# Allegro board 1156197-TDI_VU3P_QSFP28_CXP_V001_1023A-166-20241121_1644_PCB.brd (continued)
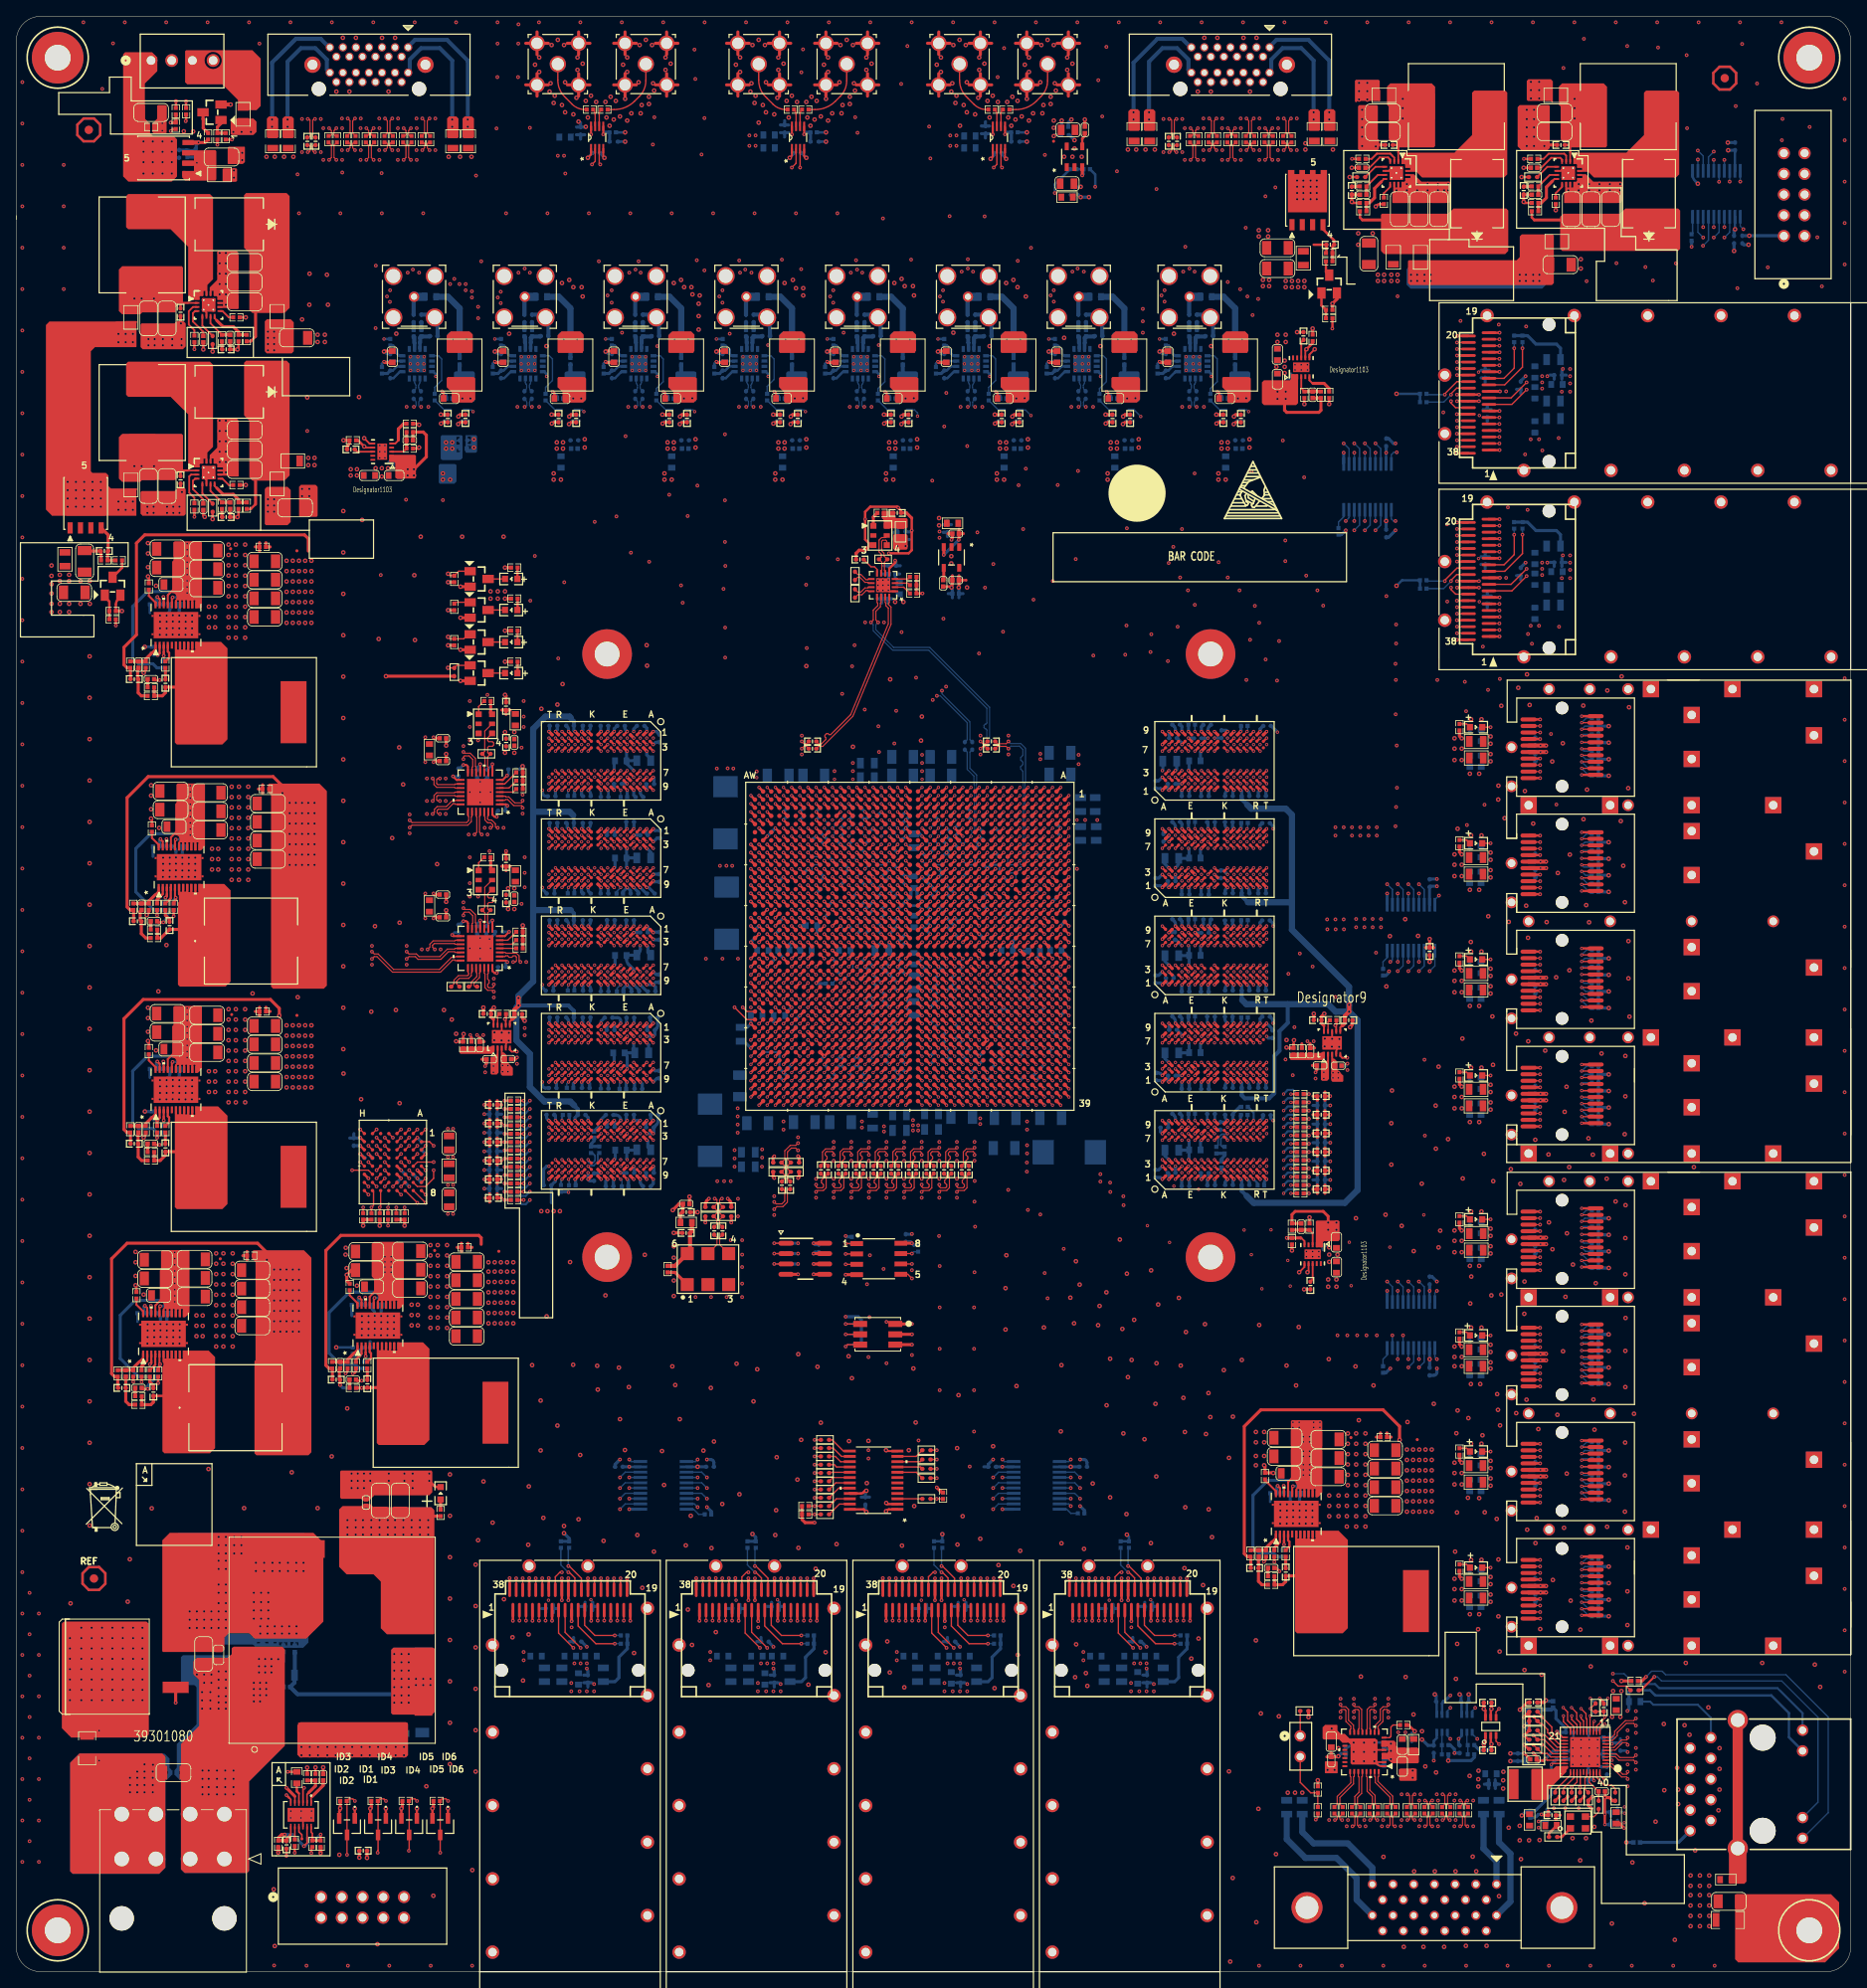
[diagram p0: board, top side]
## Routing (per net, layer and track width the routed paths; a pad name or vN(x,y) marks a point on that pad's centre or on a via; arc(x,y) is an arc through that point) (continued)
  ART03 w0.122: v3(151.76,102.06) 151.35,102.47 151.35,105.13 151.16,105.33 151.16,105.58 151.28,105.7 151.49,105.7 151.61,105.82 151.61,106.04 151.46,106.19 151.28,106.19 151.16,106.31 151.16,106.55 151.28,106.67 151.49,106.67 151.61,106.8 151.61,107.01 151.46,107.16 151.28,107.16 151.16,107.28 151.16,107.53 151.28,107.65 151.49,107.65 151.61,107.77 151.61,107.99 151.46,108.14 151.28,108.14 151.16,108.26 151.16,108.55 151.35,108.75 151.35,113.59 v3(151.76,114) 151.35,114.41 151.35,117.07 151.16,117.27 151.16,117.51 151.28,117.64 151.49,117.64 151.61,117.76 151.61,117.98 151.46,118.12 151.28,118.12 151.16,118.25 151.16,118.49 151.28,118.61 151.49,118.61 151.61,118.73 151.61,118.95 151.46,119.1 151.28,119.1 151.16,119.22 151.16,119.47 151.28,119.59 151.49,119.59 151.61,119.71 151.61,119.93 151.46,120.08 151.28,120.08 151.16,120.2 151.16,120.49 151.35,120.68 151.35,125.53 v3(151.76,125.94) 151.35,126.35 151.35,129.01 151.16,129.21 151.16,129.45 151.28,129.57 151.49,129.57 151.61,129.7 151.61,129.92 151.46,130.06 151.28,130.06 151.16,130.18 151.16,130.43 151.28,130.55 151.49,130.55 151.61,130.67 151.61,130.89 151.46,131.04 151.28,131.04 151.16,131.16 151.16,131.4 151.28,131.53 151.49,131.53 151.61,131.65 151.61,131.87 151.46,132.01 151.28,132.01 151.16,132.14 151.16,132.42 151.35,132.62 151.35,137.47 v3(151.76,137.88) 151.35,138.29 151.35,140.9 151.23,141.03 151.07,141.03 150.95,141.15 150.95,141.39 151.07,141.51 151.61,141.51 151.73,141.63 151.73,141.88 151.61,142 151.07,142 150.95,142.12 150.95,142.37 151.07,142.49 151.61,142.49 151.73,142.61 151.73,142.85 151.61,142.98 151.07,142.98 150.95,143.1 150.95,143.34 151.07,143.46 151.61,143.46 151.73,143.59 151.73,143.83 151.61,143.95 151.07,143.95 150.95,144.07 150.95,144.32 151.07,144.44 151.23,144.44 151.35,144.56 151.35,149.41 v3(151.76,149.82)
  ART07 w0.165: v3(151.76,149.82) U16.P7 151.36,152.55
  ART07 w0.191: v1(118.1,136.36) 117.77,136.36 117.22,136.91 116.84,136.91 116.59,137.16 116.59,137.57 116.31,137.85 115.93,137.85 115.57,138.2 115.57,145.82 115.14,146.25 115.14,156.92 118.36,160.15 137.81,160.15 138,159.96 138,157.29 138.19,157.1 138.57,157.1 138.76,157.29 138.76,158.81 138.95,159 139.33,159 139.52,158.81 139.52,157.29 139.91,156.9 149.38,156.9 151.36,154.91 151.36,152.55 ; v3(155.45,102.64) 155.09,102.64 154.05,101.6 152.27,101.6 151.81,102.06 v3(151.76,102.06)
  BOTTOM w0.267: R139.1 156.6,103.15 155.96,103.15 v3(155.45,102.64)
CHA_FPGA_DDR4_C2_A2: length 136.2
  TOP w0.267: U14.R3 v3(152.56,135.48) ; v3(156.34,99.59) R140.1 ; U15.R3 v3(152.56,111.6) ; U16.R3 v3(152.56,147.42) ; U17.R3 v3(152.56,99.66) ; U1.J9 v1(121.1,137.36) ; U13.R3 v3(152.56,123.54)
  ART12 w0.122: v3(152.56,99.66) 152.96,100.06 152.96,100.61 153.09,100.73 153.24,100.73 153.37,100.85 153.37,101.1 153.24,101.22 153.09,101.22 152.96,101.34 152.96,101.58 153.09,101.71 153.24,101.71 153.37,101.83 153.37,102.07 153.24,102.19 153.09,102.19 152.96,102.32 152.96,105.96 153.16,106.16 153.16,106.49 152.96,106.69 152.96,106.93 153.09,107.05 153.17,107.05 153.31,107.2 153.31,107.42 153.19,107.54 153.09,107.54 152.96,107.66 152.96,107.91 153.09,108.03 153.17,108.03 153.31,108.18 153.31,108.4 153.19,108.52 153.09,108.52 152.96,108.64 152.96,111.2 v3(152.56,111.6) 152.96,112 152.96,112.55 153.09,112.67 153.24,112.67 153.37,112.79 153.37,113.03 153.24,113.16 153.09,113.16 152.96,113.28 152.96,113.52 153.09,113.64 153.24,113.64 153.37,113.77 153.37,114.01 153.24,114.13 153.09,114.13 152.96,114.25 152.96,117.9 153.16,118.09 153.16,118.43 152.96,118.63 152.96,118.87 153.09,118.99 153.17,118.99 153.31,119.14 153.31,119.36 153.19,119.48 153.09,119.48 152.96,119.6 152.96,119.85 153.09,119.97 153.17,119.97 153.31,120.12 153.31,120.33 153.19,120.46 153.09,120.46 152.96,120.58 152.96,123.14 v3(152.56,123.54) 152.96,123.94 152.96,124.49 153.09,124.61 153.24,124.61 153.37,124.73 153.37,124.97 153.24,125.09 153.09,125.09 152.96,125.22 152.96,125.46 153.09,125.58 153.24,125.58 153.37,125.7 153.37,125.95 153.24,126.07 153.09,126.07 152.96,126.19 152.96,129.83 153.16,130.03 153.16,130.37 152.96,130.56 152.96,130.81 153.09,130.93 153.17,130.93 153.31,131.08 153.31,131.3 153.19,131.42 153.09,131.42 152.96,131.54 152.96,131.78 153.09,131.91 153.17,131.91 153.31,132.05 153.31,132.27 153.19,132.39 153.09,132.39 152.96,132.52 152.96,135.08 v3(152.56,135.48) 152.96,135.88 152.96,136.42 153.09,136.55 153.24,136.55 153.37,136.67 153.37,136.91 153.24,137.03 153.09,137.03 152.96,137.15 152.96,137.4 153.09,137.52 153.24,137.52 153.37,137.64 153.37,137.89 153.24,138.01 153.09,138.01 152.96,138.13 152.96,140.8 153.09,140.92 153.45,140.92 153.57,141.04 153.57,141.28 153.45,141.41 153.09,141.41 152.96,141.53 152.96,141.77 153.09,141.89 153.45,141.89 153.57,142.02 153.57,142.26 153.45,142.38 153.09,142.38 152.96,142.5 152.96,142.75 153.09,142.87 153.45,142.87 153.57,142.99 153.57,143.23 153.45,143.36 153.09,143.36 152.96,143.48 152.96,143.72 153.09,143.84 153.45,143.84 153.57,143.97 153.57,144.21 153.45,144.33 153.09,144.33 152.96,144.45 152.96,147.02 v3(152.56,147.42)
  ART12 w0.191: v3(152.56,147.42) 152.53,147.45 152.53,148.59 152.15,148.97 148.69,148.97 148.08,149.58 148.08,152.73 147.46,153.35 128.64,153.35 128.45,153.16 128.45,152.08 128.25,151.89 127.87,151.89 127.68,152.08 127.68,153.16 127.49,153.35 127.11,153.35 126.92,153.16 126.92,150.81 126.73,150.62 126.35,150.62 126.16,150.81 126.16,153.16 125.97,153.35 119.62,153.35 118.97,152.7 118.97,152.07 119.16,151.88 119.82,151.88 120.02,151.69 120.02,151.31 119.82,151.12 119.16,151.12 118.97,150.93 118.97,149.76 119.99,148.74 119.99,148.33 119.8,148.14 118.3,148.14 118.11,147.95 118.11,147.57 118.3,147.38 119.8,147.38 119.99,147.19 119.99,146.13 119.63,145.77 119.63,139.14 119.96,138.81 120.32,138.81 120.65,138.48 120.65,138.1 121.1,137.65 v1(121.1,137.36)
  ART14 w0.165: 153.8,99.26 152.96,99.26 v3(152.56,99.66)
  ART14 w0.191: v3(156.34,99.59) 155.93,99.19 153.87,99.19 153.8,99.26
CHA_FPGA_DDR4_C2_A3: length 140.9
  TOP w0.267: U17.N7 v3(150.96,102.06) ; R141.1 v3(156.34,104.67) ; U16.N7 v3(150.96,149.82) ; U13.N7 v3(150.96,125.94) ; U14.N7 v3(150.96,137.88) ; U1.N9 v1(117.1,137.36) ; U15.N7 v3(150.96,114)
  ART03 w0.122: v3(150.96,149.82) 150.55,149.41 150.55,148.97 150.68,148.85 150.86,148.85 150.98,148.73 150.98,148.49 150.86,148.36 150.68,148.36 150.55,148.24 150.55,144.63 150.43,144.5 150.03,144.5 149.91,144.38 149.91,144.14 150.03,144.02 150.43,144.02 150.55,143.89 150.55,143.65 150.43,143.53 150.03,143.53 149.91,143.41 149.91,143.16 150.03,143.04 150.43,143.04 150.55,142.92 150.55,142.67 150.43,142.55 150.03,142.55 149.91,142.43 149.91,142.19 150.03,142.06 150.43,142.06 150.55,141.94 150.55,141.7 150.43,141.58 150.03,141.58 149.91,141.46 149.91,141.21 150.03,141.09 150.43,141.09 150.55,140.97 150.55,138.29 v3(150.96,137.88) 150.55,137.47 150.55,132.69 150.43,132.57 150.29,132.57 150.14,132.42 150.14,132.2 150.26,132.08 150.43,132.08 150.55,131.96 150.55,131.71 150.43,131.59 150.29,131.59 150.14,131.44 150.14,131.22 150.26,131.1 150.43,131.1 150.55,130.98 150.55,130.74 150.43,130.61 150.29,130.61 150.14,130.47 150.14,130.25 150.26,130.13 150.43,130.13 150.55,130 150.55,129.76 150.43,129.64 150.29,129.64 150.14,129.49 150.14,129.27 150.26,129.15 150.43,129.15 150.55,129.03 150.55,126.35 v3(150.96,125.94) 150.55,125.53 150.55,120.75 150.43,120.63 150.29,120.63 150.14,120.48 150.14,120.26 150.26,120.14 150.43,120.14 150.55,120.02 150.55,119.77 150.43,119.65 150.29,119.65 150.14,119.5 150.14,119.29 150.26,119.16 150.43,119.16 150.55,119.04 150.55,118.8 150.43,118.68 150.29,118.68 150.14,118.53 150.14,118.31 150.26,118.19 150.43,118.19 150.55,118.07 150.55,117.82 150.43,117.7 150.29,117.7 150.14,117.55 150.14,117.34 150.26,117.21 150.43,117.21 150.55,117.09 150.55,114.41 v3(150.96,114) 150.55,113.59 150.55,108.81 150.43,108.69 150.29,108.69 150.14,108.54 150.14,108.32 150.26,108.2 150.43,108.2 150.55,108.08 150.55,107.84 150.43,107.71 150.29,107.71 150.14,107.57 150.14,107.35 150.26,107.23 150.43,107.23 150.55,107.1 150.55,106.86 150.43,106.74 150.29,106.74 150.14,106.59 150.14,106.37 150.26,106.25 150.43,106.25 150.55,106.13 150.55,105.88 150.43,105.76 150.34,105.76 150.22,105.64 150.22,105.4 150.34,105.28 150.43,105.28 150.55,105.15 150.55,102.47 v3(150.96,102.06)
  ART07 w0.165: 153.47,102.46 151.36,102.46 v3(150.96,102.06) ; v3(150.96,149.82) U16.N7 150.56,152.55
  ART07 w0.191: v1(117.1,137.36) 117.1,137.64 116.59,138.15 116.59,145.8 115.93,146.46 115.93,156.69 118.49,159.26 133.86,159.26 134.25,158.88 134.63,158.88 135.01,159.26 135.37,159.26 135.56,159.07 135.56,156.27 135.75,156.08 136.13,156.08 136.32,156.27 136.32,159.07 136.51,159.26 136.89,159.26 137.08,159.07 137.08,156.4 137.28,156.21 149.12,156.21 150.56,154.77 150.56,152.55 ; 153.47,102.46 153.64,102.46 155.32,104.14 155.83,104.14 155.96,104.27 155.96,104.29 v3(156.34,104.67)
CHA_FPGA_DDR4_C2_A4: length 138.5
  TOP w0.267: U1.K10 v1(120.1,136.36) ; U14.N3 v3(150.96,135.48) ; U16.N3 v3(150.96,147.42) ; U15.N3 v3(150.96,111.6) ; U17.N3 v3(150.96,99.66) ; U13.N3 v3(150.96,123.54)
  ART07 w0.165: v3(150.96,147.42) 150.96,149.14 150.8,149.3 148.29,149.3 147.38,150.21 146.01,150.21 145.76,150.46 145.76,151.34 145.29,151.81 143.6,151.81 143.51,151.71 143.36,151.71
  ART07 w0.191: v3(155.45,99.59) 154.86,100.18 151.49,100.18 150.97,99.66 v3(150.96,99.66) ; 143.36,151.71 140.36,151.71 139.75,152.32 124.77,152.32 124.58,152.13 124.58,147.41 124.39,147.22 124.01,147.22 123.82,147.41 123.82,152.13 123.63,152.32 123.25,152.32 123.06,152.13 123.06,147.41 122.87,147.22 122.49,147.22 122.3,147.41 122.3,152.13 122.11,152.32 120.93,152.32 120.6,152 120.6,136.55 120.41,136.36 v1(120.1,136.36)
  ART12 w0.122: v3(150.96,147.42) 151.36,147.02 151.36,144.67 151.24,144.55 151.07,144.55 150.95,144.42 150.95,144.18 151.07,144.06 151.42,144.06 151.54,143.94 151.54,143.69 151.42,143.57 151.07,143.57 150.95,143.45 150.95,143.21 151.07,143.08 151.42,143.08 151.54,142.96 151.54,142.72 151.42,142.6 151.07,142.6 150.95,142.47 150.95,142.23 151.07,142.11 151.42,142.11 151.54,141.99 151.54,141.74 151.42,141.62 151.07,141.62 150.95,141.5 150.95,141.25 151.07,141.13 151.24,141.13 151.36,141.01 151.36,135.88 v3(150.96,135.48) 151.36,135.08 151.36,132.73 151.24,132.61 151.07,132.61 150.95,132.49 150.95,132.24 151.07,132.12 151.42,132.12 151.54,132 151.54,131.75 151.42,131.63 151.07,131.63 150.95,131.51 150.95,131.27 151.07,131.15 151.42,131.15 151.54,131.02 151.54,130.78 151.42,130.66 151.38,130.66 151.23,130.51 151.23,130.29 151.35,130.17 151.42,130.17 151.54,130.05 151.54,129.8 151.36,129.63 151.36,123.94 v3(150.96,123.54) 151.36,123.14 151.36,120.79 151.24,120.67 151.07,120.67 150.95,120.55 150.95,120.3 151.07,120.18 151.42,120.18 151.54,120.06 151.54,119.82 151.42,119.69 151.07,119.69 150.95,119.57 150.95,119.33 151.07,119.21 151.42,119.21 151.54,119.09 151.54,118.84 151.42,118.72 151.38,118.72 151.23,118.57 151.23,118.35 151.35,118.23 151.42,118.23 151.54,118.11 151.54,117.87 151.36,117.69 151.36,112 v3(150.96,111.6) 151.36,111.2 151.36,108.85 151.24,108.73 151.07,108.73 150.95,108.61 150.95,108.37 151.07,108.24 151.42,108.24 151.54,108.12 151.54,107.88 151.42,107.76 151.07,107.76 150.95,107.64 150.95,107.39 151.07,107.27 151.42,107.27 151.54,107.15 151.54,106.9 151.42,106.78 151.38,106.78 151.23,106.63 151.23,106.42 151.35,106.29 151.42,106.29 151.54,106.17 151.54,105.93 151.36,105.75 151.36,100.06 v3(150.96,99.66)
  BOTTOM w0.267: R142.1 156.6,100.1 155.96,100.1 v3(155.45,99.59)
CHA_FPGA_DDR4_C2_A5: length 139.4
  TOP w0.267: U14.P8 v3(151.76,139.48) ; U15.P8 v3(151.76,115.6) ; U17.P8 v3(151.76,103.66) ; U13.P8 v3(151.76,127.54) ; U16.P8 v3(151.76,151.42) ; U1.L12 v1(119.1,134.36)
  ART07 w0.165: v3(151.76,103.66) 152.16,104.06 152.16,104.67
  ART07 w0.191: v3(155.45,105.69) 152.81,105.69 152.16,105.05 152.16,104.67
  ART12 w0.165: 151.36,152.53 151.36,151.82 v3(151.76,151.42)
  ART12 w0.191: 151.36,152.53 151.36,152.96 148.36,155.96 143.51,155.96 141.38,158.09 127.33,158.09 126.85,157.61 126.85,155.94 126.66,155.75 126.28,155.75 126.09,155.94 126.09,157.54 125.9,157.73 125.52,157.73 125.33,157.54 125.33,155.94 125.14,155.75 124.76,155.75 124.57,155.94 124.57,157.62 124.38,157.81 123.99,157.81 123.8,157.62 123.8,155.94 123.61,155.75 118.26,155.75 115.57,153.06 115.57,141.2 115.94,140.83 116.34,140.83 116.59,140.59 116.59,137.19 116.91,136.86 117.27,136.86 117.6,136.53 117.6,136.15 117.91,135.84 118.26,135.84 118.6,135.5 118.6,134.86 v1(119.1,134.36)
  ART16 w0.122: v3(151.76,103.66) 152.16,104.06 152.16,105.12 152.29,105.24 152.38,105.24 152.5,105.36 152.5,105.61 152.26,105.85 152.26,106.1 152.5,106.34 152.5,106.59 152.26,106.83 152.26,107.07 152.5,107.31 152.5,107.56 152.26,107.8 152.26,108.05 152.5,108.29 152.5,108.53 152.38,108.65 152.29,108.65 152.16,108.78 152.16,111.97 152.04,112.09 151.91,112.09 151.79,112.21 151.79,112.45 151.91,112.58 152.04,112.58 152.16,112.7 152.16,112.94 152.04,113.06 151.91,113.06 151.79,113.18 151.79,113.43 151.91,113.55 152.04,113.55 152.16,113.67 152.16,115.2 v3(151.76,115.6) 152.16,116 152.16,117.06 152.29,117.18 152.38,117.18 152.5,117.3 152.5,117.55 152.26,117.79 152.26,118.04 152.5,118.28 152.5,118.53 152.26,118.77 152.26,119.01 152.5,119.25 152.5,119.5 152.26,119.74 152.26,119.99 152.5,120.23 152.5,120.47 152.38,120.59 152.29,120.59 152.16,120.71 152.16,123.9 152.04,124.03 151.91,124.03 151.79,124.15 151.79,124.39 151.91,124.51 152.04,124.51 152.16,124.64 152.16,124.88 152.04,125 151.91,125 151.79,125.12 151.79,125.37 151.91,125.49 152.04,125.49 152.16,125.61 152.16,127.14 v3(151.76,127.54) 152.16,127.94 152.16,128.99 152.29,129.12 152.38,129.12 152.5,129.24 152.5,129.49 152.26,129.73 152.26,129.97 152.5,130.21 152.5,130.46 152.26,130.7 152.26,130.95 152.5,131.19 152.5,131.44 152.26,131.68 152.26,131.92 152.5,132.16 152.5,132.41 152.38,132.53 152.29,132.53 152.16,132.65 152.16,135.84 152.04,135.96 151.91,135.96 151.79,136.09 151.79,136.33 151.91,136.45 152.04,136.45 152.16,136.57 152.16,136.82 152.04,136.94 151.91,136.94 151.79,137.06 151.79,137.3 151.91,137.43 152.04,137.43 152.16,137.55 152.16,139.08 v3(151.76,139.48) 152.16,139.88 152.16,140.93 152.29,141.05 152.38,141.05 152.5,141.18 152.5,141.42 152.38,141.54 152.16,141.54 152.04,141.66 152.04,141.91 152.16,142.03 152.38,142.03 152.5,142.15 152.5,142.39 152.38,142.52 152.16,142.52 152.04,142.64 152.04,142.88 152.16,143 152.38,143 152.5,143.13 152.5,143.37 152.38,143.49 152.16,143.49 152.04,143.61 152.04,143.86 152.16,143.98 152.38,143.98 152.5,144.1 152.5,144.35 152.38,144.47 152.29,144.47 152.16,144.59 152.16,147.78 152.04,147.9 151.91,147.9 151.79,148.02 151.79,148.27 151.91,148.39 152.04,148.39 152.16,148.51 152.16,148.76 152.04,148.88 151.91,148.88 151.79,149 151.79,149.24 151.91,149.36 152.04,149.36 152.16,149.49 152.16,151.02 v3(151.76,151.42)
  BOTTOM w0.267: v3(155.45,105.69) 155.96,106.2 156.6,106.2 R143.1
CHA_FPGA_DDR4_C2_A6: length 134.8
  TOP w0.267: U17.P2 v3(151.76,98.06) ; U14.P2 v3(151.76,133.88) ; U16.P2 v3(151.76,145.82) ; U13.P2 v3(151.76,121.94) ; U15.P2 v3(151.76,110) ; U1.C9 v1(127.1,137.36)
  ART05 w0.122: v3(151.76,145.82) 152.16,145.41 152.16,144.76 152.25,144.68 152.25,144.53 152.37,144.41 152.71,144.41 152.83,144.29 152.83,144.05 152.71,143.92 152.37,143.92 152.25,143.8 152.25,143.56 152.37,143.44 152.71,143.44 152.83,143.31 152.83,143.07 152.71,142.95 152.37,142.95 152.25,142.83 152.25,142.58 152.37,142.46 152.71,142.46 152.83,142.34 152.83,142.1 152.71,141.97 152.37,141.97 152.25,141.85 152.25,141.61 152.37,141.49 152.71,141.49 152.83,141.36 152.83,141.12 152.71,141 152.37,141 152.25,140.88 152.25,140.6 152.16,140.51 152.16,137.5 152.29,137.38 152.38,137.38 152.5,137.26 152.5,137.01 152.38,136.89 152.29,136.89 152.16,136.77 152.16,136.53 152.29,136.4 152.38,136.4 152.5,136.28 152.5,136.04 152.38,135.92 152.29,135.92 152.16,135.79 152.16,134.28 v3(151.76,133.88) 152.16,133.48 152.16,132.82 152.25,132.74 152.25,132.6 152.37,132.47 152.51,132.47 152.63,132.35 152.63,132.11 152.51,131.99 152.37,131.99 152.25,131.86 152.25,131.62 152.37,131.5 152.51,131.5 152.63,131.38 152.63,131.13 152.51,131.01 152.37,131.01 152.25,130.89 152.25,130.65 152.37,130.52 152.51,130.52 152.63,130.4 152.63,130.16 152.51,130.04 152.37,130.04 152.25,129.91 152.25,129.67 152.37,129.55 152.51,129.55 152.63,129.43 152.63,129.18 152.51,129.06 152.37,129.06 152.25,128.94 152.25,128.66 152.16,128.57 152.16,122.34 v3(151.76,121.94) 152.16,121.54 152.16,120.89 152.25,120.8 152.25,120.66 152.37,120.54 152.51,120.54 152.63,120.41 152.63,120.17 152.51,120.05 152.37,120.05 152.25,119.93 152.25,119.68 152.37,119.56 152.51,119.56 152.63,119.44 152.63,119.2 152.51,119.07 152.37,119.07 152.25,118.95 152.25,118.71 152.37,118.59 152.51,118.59 152.63,118.46 152.63,118.22 152.51,118.1 152.37,118.1 152.25,117.98 152.25,117.73 152.37,117.61 152.51,117.61 152.63,117.49 152.63,117.24 152.51,117.12 152.37,117.12 152.25,117 152.25,116.72 152.16,116.64 152.16,110.4 v3(151.76,110) 152.16,109.6 152.16,108.95 152.25,108.86 152.25,108.72 152.37,108.6 152.51,108.6 152.63,108.48 152.63,108.23 152.51,108.11 152.37,108.11 152.25,107.99 152.25,107.74 152.37,107.62 152.51,107.62 152.63,107.5 152.63,107.26 152.51,107.14 152.37,107.14 152.25,107.01 152.25,106.77 152.37,106.65 152.51,106.65 152.63,106.53 152.63,106.28 152.51,106.16 152.37,106.16 152.25,106.04 152.25,105.79 152.37,105.67 152.51,105.67 152.63,105.55 152.63,105.31 152.51,105.18 152.37,105.18 152.25,105.06 152.25,104.78 152.16,104.7 152.16,98.46 v3(151.76,98.06)
  ART07 w0.165: v3(151.76,145.82) 151.36,146.22 151.36,147.7 151.38,147.73
  ART07 w0.191: 151.38,147.73 151.38,147.76 151.57,147.96 155.83,147.96 156.08,147.7 156.08,146.92 155.89,146.73 154.24,146.73 154.05,146.54 154.05,146.16 154.24,145.97 155.89,145.97 156.08,145.78 156.08,141.67 155.89,141.48 155.25,141.48 155.06,141.67 155.06,144.46 154.87,144.65 154.49,144.65 154.29,144.46 154.29,141.67 154.1,141.48 153.72,141.48 153.53,141.67 153.53,144.34 153.34,144.53 152.96,144.53 152.77,144.34 152.77,141.67 152.58,141.48 152.2,141.48 152.01,141.67 152.01,143.7 151.82,143.89 151.44,143.89 151.25,143.7 151.25,141.67 151.06,141.48 144.91,141.48 144.15,142.24 144.15,143.38 143.76,143.76 140.46,143.76 139.83,143.13 135.13,143.13 130.68,138.68 130.18,138.68 129.31,137.82 127.56,137.82 v1(127.1,137.36)
  ART14 w0.165: 153.7,97.66 152.16,97.66 v3(151.76,98.06)
  ART14 w0.191: 153.7,97.66 154.25,97.66 154.36,97.56 v3(155.45,97.56)
  BOTTOM w0.267: R144.1 156.6,98.07 155.96,98.07 v3(155.45,97.56)
CHA_FPGA_DDR4_C2_A7: length 138.4
  TOP w0.267: U17.R8 v3(152.56,103.66) ; U13.R8 v3(152.56,127.54) ; U16.R8 v3(152.56,151.42) ; U14.R8 v3(152.56,139.48) ; U1.M11 v1(118.1,135.36) ; v3(156.34,105.69) R145.1 ; U15.R8 v3(152.56,115.6)
  ART07 w0.165: 152.96,104.67 152.96,104.06 v3(152.56,103.66)
  ART07 w0.191: 152.96,104.67 152.96,104.89 153.23,105.16 155.8,105.16 v3(156.34,105.69)
  ART12 w0.165: v3(152.56,151.42) 152.16,151.82 152.16,152.62 152.15,152.63
  ART12 w0.191: v1(118.1,135.36) 117.75,135.36 117.26,135.86 116.85,135.86 116.59,136.12 116.59,136.55 116.28,136.86 115.82,136.86 115.6,137.08 115.6,140.54 115.29,140.84 114.96,140.84 114.66,141.15 114.66,153.06 120.27,158.67 120.66,158.67 120.85,158.48 120.85,156.88 121.04,156.69 121.42,156.69 121.61,156.88 121.61,158.48 121.8,158.67 122.18,158.67 122.37,158.48 122.37,156.88 122.56,156.69 122.94,156.69 123.13,156.88 123.13,158.48 123.32,158.67 141.66,158.67 143.79,156.54 148.59,156.54 152.15,152.98 152.15,152.63
  ART16 w0.122: v3(152.56,103.66) 152.96,104.06 152.96,104.98 153.09,105.1 153.22,105.1 153.34,105.23 153.34,105.47 153.22,105.59 153.03,105.59 152.91,105.71 152.91,105.96 153.03,106.08 153.22,106.08 153.34,106.2 153.34,106.45 153.22,106.57 153.03,106.57 152.91,106.69 152.91,106.93 153.03,107.05 153.22,107.05 153.34,107.18 153.34,107.42 153.22,107.54 153.03,107.54 152.91,107.66 152.91,107.91 153.14,108.13 153.14,108.47 152.96,108.64 152.96,115.2 v3(152.56,115.6) 152.96,116 152.96,116.92 153.09,117.04 153.22,117.04 153.34,117.16 153.34,117.41 153.22,117.53 153.03,117.53 152.91,117.65 152.91,117.9 153.03,118.02 153.22,118.02 153.34,118.14 153.34,118.38 153.22,118.5 153.03,118.5 152.91,118.63 152.91,118.87 153.03,118.99 153.22,118.99 153.34,119.11 153.34,119.36 153.22,119.48 153.03,119.48 152.91,119.6 152.91,119.85 153.14,120.07 153.14,120.4 152.96,120.58 152.96,127.14 v3(152.56,127.54) 152.96,127.94 152.96,128.86 153.09,128.98 153.22,128.98 153.34,129.1 153.34,129.35 153.22,129.47 153.03,129.47 152.91,129.59 152.91,129.83 153.03,129.96 153.22,129.96 153.34,130.08 153.34,130.32 153.22,130.44 153.03,130.44 152.91,130.56 152.91,130.81 153.03,130.93 153.22,130.93 153.34,131.05 153.34,131.3 153.22,131.42 153.03,131.42 152.91,131.54 152.91,131.78 153.03,131.91 153.22,131.91 153.34,132.03 153.34,132.27 153.22,132.39 153.09,132.39 152.96,132.52 152.96,139.08 v3(152.56,139.48) 152.96,139.88 152.96,140.8 153.09,140.92 153.22,140.92 153.34,141.04 153.34,141.28 153.22,141.41 153.09,141.41 152.96,141.53 152.96,141.77 153.09,141.89 153.22,141.89 153.34,142.02 153.34,142.26 153.22,142.38 153.09,142.38 152.96,142.5 152.96,142.75 153.09,142.87 153.22,142.87 153.34,142.99 153.34,143.23 153.22,143.36 153.09,143.36 152.96,143.48 152.96,143.72 153.09,143.84 153.22,143.84 153.34,143.97 153.34,144.21 153.22,144.33 153.09,144.33 152.96,144.45 152.96,147.8 152.84,147.93 152.62,147.93 152.5,148.05 152.5,148.29 152.62,148.41 152.84,148.41 152.96,148.54 152.96,148.78 152.84,148.9 152.62,148.9 152.5,149.02 152.5,149.27 152.62,149.39 152.84,149.39 152.96,149.51 152.96,151.02 v3(152.56,151.42)
CHA_FPGA_DDR4_C2_A8: length 136
  TOP w0.267: U15.R2 v3(152.56,110) ; U17.R2 v3(152.56,98.06) ; U16.R2 v3(152.56,145.82) ; U13.R2 v3(152.56,121.94) ; U1.H7 v3(122.1,139.36) ; v3(156.34,97.56) R146.1 ; U14.R2 v3(152.56,133.88)
  ART05 w0.122: v3(152.56,145.82) 152.96,145.41 152.96,144.83 153.33,144.45 153.65,144.45 153.77,144.33 153.77,144.09 153.65,143.97 153.33,143.97 153.21,143.85 153.21,143.6 153.33,143.48 153.65,143.48 153.77,143.36 153.77,143.11 153.65,142.99 153.33,142.99 153.21,142.87 153.21,142.63 153.33,142.5 153.65,142.5 153.77,142.38 153.77,142.14 153.65,142.02 153.33,142.02 153.21,141.89 153.21,141.65 153.33,141.53 153.65,141.53 153.77,141.41 153.77,141.16 153.65,141.04 153.33,141.04 153.21,140.92 153.21,140.74 152.96,140.49 152.96,137.81 153.09,137.69 153.24,137.69 153.37,137.57 153.37,137.32 153.24,137.2 153.09,137.2 152.96,137.08 152.96,136.84 153.09,136.71 153.24,136.71 153.37,136.59 153.37,136.35 153.24,136.23 153.09,136.23 152.96,136.11 152.96,134.28 v3(152.56,133.88) 152.96,133.48 152.96,132.89 153.33,132.52 153.45,132.52 153.57,132.39 153.57,132.18 153.42,132.03 153.33,132.03 153.21,131.91 153.21,131.66 153.33,131.54 153.45,131.54 153.57,131.42 153.57,131.2 153.42,131.05 153.33,131.05 153.21,130.93 153.21,130.69 153.33,130.57 153.45,130.57 153.57,130.44 153.57,130.23 153.42,130.08 153.33,130.08 153.21,129.96 153.21,129.71 153.33,129.59 153.45,129.59 153.57,129.47 153.57,129.25 153.42,129.1 153.33,129.1 153.21,128.98 153.21,128.8 152.96,128.55 152.96,122.34 v3(152.56,121.94) 152.96,121.54 152.96,120.95 153.33,120.58 153.45,120.58 153.57,120.46 153.57,120.24 153.42,120.09 153.33,120.09 153.21,119.97 153.21,119.73 153.33,119.6 153.45,119.6 153.57,119.48 153.57,119.26 153.42,119.12 153.33,119.12 153.21,118.99 153.21,118.75 153.33,118.63 153.45,118.63 153.57,118.51 153.57,118.29 153.42,118.14 153.33,118.14 153.21,118.02 153.21,117.77 153.33,117.65 153.45,117.65 153.57,117.53 153.57,117.31 153.42,117.17 153.33,117.17 153.21,117.04 153.21,116.87 152.96,116.62 152.96,110.4 v3(152.56,110) 152.96,109.6 152.96,109.01 153.33,108.64 153.45,108.64 153.57,108.52 153.57,108.3 153.42,108.15 153.26,108.15 153.14,108.03 153.14,107.79 153.26,107.67 153.45,107.67 153.57,107.54 153.57,107.33 153.42,107.18 153.33,107.18 153.21,107.06 153.21,106.81 153.33,106.69 153.45,106.69 153.57,106.57 153.57,106.35 153.42,106.2 153.33,106.2 153.21,106.08 153.21,105.84 153.33,105.71 153.45,105.71 153.57,105.59 153.57,105.37 153.42,105.23 153.33,105.23 153.21,105.11 153.21,104.93 152.96,104.68 152.96,98.46 v3(152.56,98.06)
  ART05 w0.165: v3(152.56,145.82) 152.96,146.21 152.96,147.62
  ART05 w0.191: v3(122.1,139.36) 122.1,139.68 122.56,140.13 122.56,146.22 123.02,146.69 125.86,146.69 127.76,148.59 127.76,153.57 133.48,159.28 142.04,159.28 145.9,155.42 146.5,155.42 146.69,155.61 146.69,156.48 146.88,156.67 147.26,156.67 147.46,156.48 147.46,155.61 147.65,155.42 148.03,155.42 148.22,155.61 148.22,156.48 148.41,156.67 148.79,156.67 148.98,156.48 148.98,155.61 149.17,155.42 149.55,155.42 149.74,155.61 149.74,156.48 149.93,156.67 150.31,156.67 150.5,156.48 150.5,155.61 150.69,155.42 151.07,155.42 151.27,155.61 151.27,156.48 151.46,156.67 151.84,156.67 152.03,156.48 152.03,155.61 152.22,155.42 153.44,155.42 155.85,153.01 155.85,150.52 152.96,147.62
  ART14 w0.165: 153.8,98.46 152.96,98.46 v3(152.56,98.06)
  ART14 w0.191: 153.8,98.46 154.22,98.46 154.64,98.04 155.85,98.04 v3(156.34,97.56)
